# KiCad board pi40_v1.1.kicad_pcb
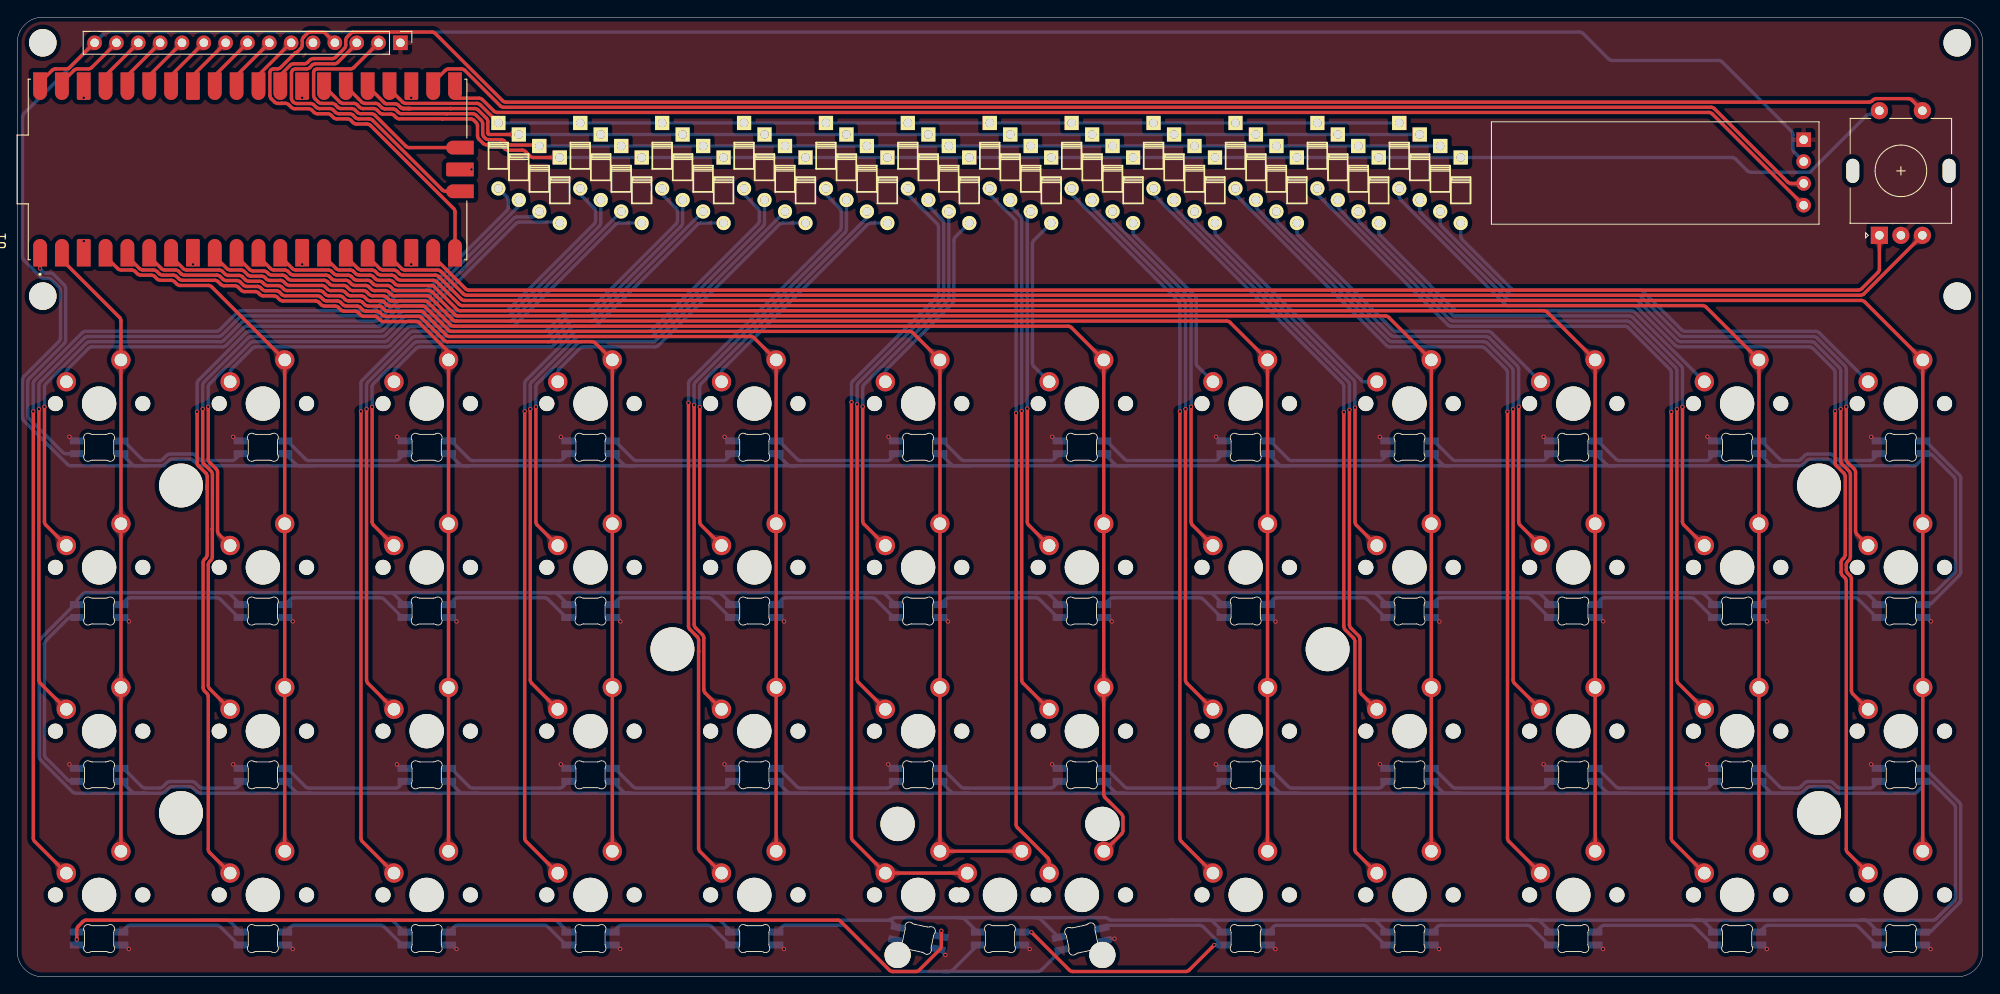
[diagram p0: board, top side]
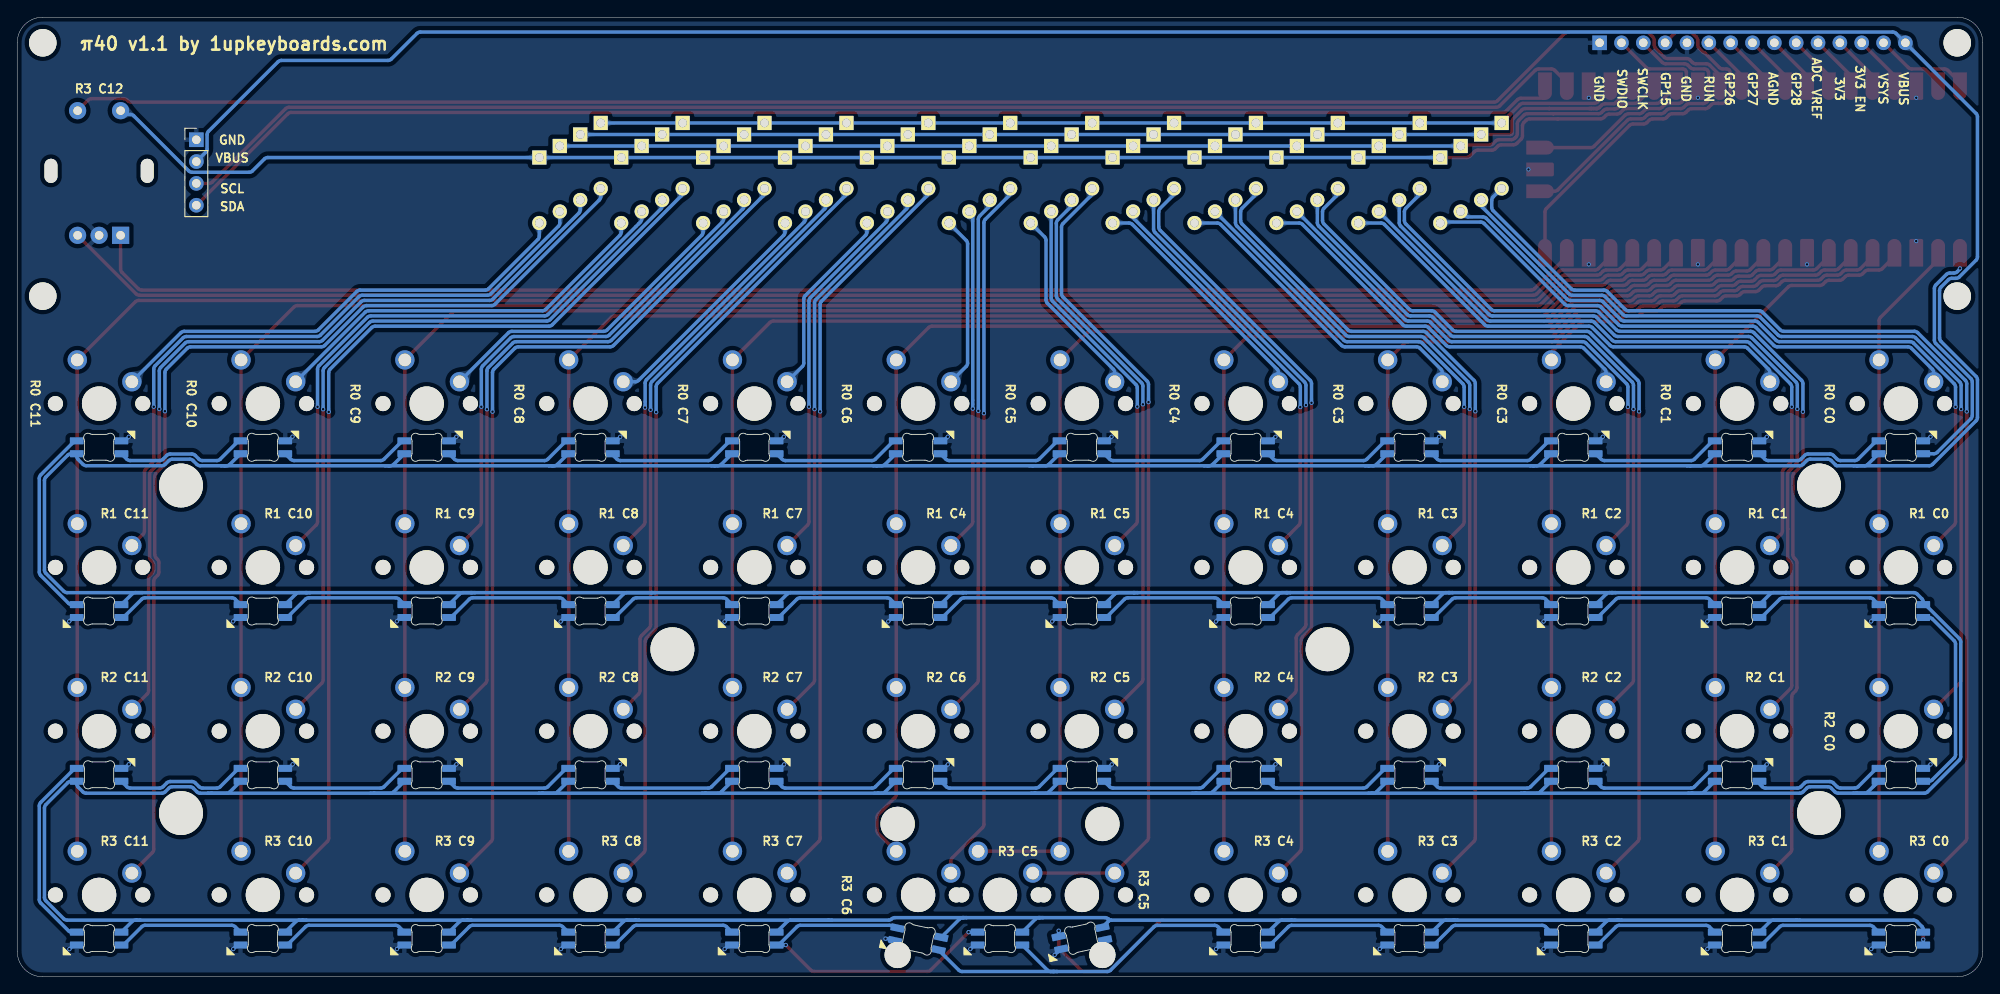
[diagram p1: board, bottom side, seen from below]

Outline 228.6 x 111.62 mm; copper layers: Top (plane), Bottom (plane). Coordinates in mm from the lower left corner of the outline.
Outline path: 0,108.64 arc(0.87,110.75) 2.98,111.62 225.62,111.62 arc(227.73,110.75) 228.6,108.64 228.6,2.98 arc(227.73,0.87) 225.62,0 2.98,0 arc(0.87,0.87) 0,2.98 0,108.64
Stack: Top 0.035mm / dielectric 1.51mm FR4 er 4.5 / Bottom 0.035mm

## Placement (name value [footprint] x y rotation side)
D1  D  [Diode No Label]  63.1 91.49 90 top
D2  D  [Diode No Label]  72.63 91.49 90 top
D3  D  [Diode No Label]  82.15 91.49 90 top
D4  D  [Diode No Label]  91.68 91.49 90 top
D5  D  [Diode No Label]  101.2 91.49 90 top
D6  D  [Diode No Label]  110.73 91.49 90 top
D7  D  [Diode No Label]  120.25 91.49 90 top
D8  D  [Diode No Label]  129.78 91.49 90 top
D9  D  [Diode No Label]  139.3 91.49 90 top
D10  D  [Diode No Label]  148.83 91.49 90 top
D11  D  [Diode No Label]  158.35 91.49 90 top
D12  D  [Diode No Label]  167.88 91.49 90 top
D13  D  [Diode No Label]  60.72 92.83 90 top
D14  D  [Diode No Label]  70.25 92.83 90 top
D15  D  [Diode No Label]  79.77 92.83 90 top
D16  D  [Diode No Label]  89.3 92.83 90 top
D17  D  [Diode No Label]  98.82 92.83 90 top
D18  D  [Diode No Label]  108.35 92.83 90 top
D19  D  [Diode No Label]  117.87 92.83 90 top
D20  D  [Diode No Label]  127.4 92.83 90 top
D21  D  [Diode No Label]  136.92 92.83 90 top
D22  D  [Diode No Label]  146.45 92.83 90 top
D23  D  [Diode No Label]  155.97 92.83 90 top
D24  D  [Diode No Label]  165.5 92.83 90 top
D25  D  [Diode No Label]  58.34 94.17 90 top
D26  D  [Diode No Label]  67.87 94.17 90 top
D27  D  [Diode No Label]  77.39 94.17 90 top
D28  D  [Diode No Label]  86.91 94.17 90 top
D29  D  [Diode No Label]  96.44 94.17 90 top
D30  D  [Diode No Label]  105.96 94.17 90 top
D31  D  [Diode No Label]  115.49 94.17 90 top
D32  D  [Diode No Label]  125.01 94.17 90 top
D33  D  [Diode No Label]  134.54 94.17 90 top
D34  D  [Diode No Label]  144.06 94.17 90 top
D35  D  [Diode No Label]  153.59 94.17 90 top
D36  D  [Diode No Label]  163.11 94.17 90 top
D37  D  [Diode No Label]  55.96 95.51 90 top
D38  D  [Diode No Label]  65.48 95.51 90 top
D39  D  [Diode No Label]  75.01 95.51 90 top
D40  D  [Diode No Label]  84.53 95.51 90 top
D41  D  [Diode No Label]  94.06 95.51 90 top
D42  D  [Diode No Label]  103.58 95.51 90 top
D43  D  [Diode No Label]  113.11 95.51 90 top
D44  D  [Diode No Label]  122.63 95.51 90 top
D45  D  [Diode No Label]  132.16 95.51 90 top
D46  D  [Diode No Label]  141.68 95.51 90 top
D47  D  [Diode No Label]  151.21 95.51 90 top
D48  D  [Diode No Label]  160.73 95.51 90 top
D49  SK6812MINI-E  [MX_SK6812MINI-E RL no keepout no via]  9.52 66.67 0 top
D50  SK6812MINI-E  [MX_SK6812MINI-E RL no keepout no via]  28.57 66.67 0 top
D51  SK6812MINI-E  [MX_SK6812MINI-E RL no keepout no via]  47.62 66.67 0 top
D52  SK6812MINI-E  [MX_SK6812MINI-E RL no keepout no via]  66.67 66.67 0 top
D53  SK6812MINI-E  [MX_SK6812MINI-E RL no keepout no via]  85.72 66.67 0 top
D54  SK6812MINI-E  [MX_SK6812MINI-E RL no keepout no via]  104.77 66.67 0 top
D55  SK6812MINI-E  [MX_SK6812MINI-E RL no keepout no via]  123.82 66.67 0 top
D56  SK6812MINI-E  [MX_SK6812MINI-E RL no keepout no via]  142.87 66.67 0 top
D57  SK6812MINI-E  [MX_SK6812MINI-E RL no keepout no via]  161.92 66.67 0 top
D58  SK6812MINI-E  [MX_SK6812MINI-E RL no keepout no via]  180.97 66.67 0 top
D59  SK6812MINI-E  [MX_SK6812MINI-E RL no keepout no via]  200.02 66.67 0 top
D60  SK6812MINI-E  [MX_SK6812MINI-E RL no keepout no via]  219.07 66.67 0 top
D61  SK6812MINI-E  [MX_SK6812MINI-E LR no keepout no via]  9.52 47.62 0 top
D62  SK6812MINI-E  [MX_SK6812MINI-E LR no keepout no via]  28.57 47.62 0 top
D63  SK6812MINI-E  [MX_SK6812MINI-E LR no keepout no via]  47.62 47.62 0 top
D64  SK6812MINI-E  [MX_SK6812MINI-E LR no keepout no via]  66.67 47.62 0 top
D65  SK6812MINI-E  [MX_SK6812MINI-E LR no keepout no via]  85.72 47.62 0 top
D66  SK6812MINI-E  [MX_SK6812MINI-E LR no keepout no via]  104.77 47.62 0 top
D67  SK6812MINI-E  [MX_SK6812MINI-E LR no keepout no via]  123.82 47.62 0 top
D68  SK6812MINI-E  [MX_SK6812MINI-E LR no keepout no via]  142.87 47.62 0 top
D69  SK6812MINI-E  [MX_SK6812MINI-E LR no keepout no via]  161.92 47.62 0 top
D70  SK6812MINI-E  [MX_SK6812MINI-E LR no keepout no via]  180.97 47.62 0 top
D71  SK6812MINI-E  [MX_SK6812MINI-E LR no keepout no via]  200.02 47.62 0 top
D72  SK6812MINI-E  [MX_SK6812MINI-E LR no keepout no via]  219.07 47.62 0 top
D73  SK6812MINI-E  [MX_SK6812MINI-E RL no keepout no via]  9.52 28.57 0 top
D74  SK6812MINI-E  [MX_SK6812MINI-E RL no keepout no via]  28.57 28.57 0 top
D75  SK6812MINI-E  [MX_SK6812MINI-E RL no keepout no via]  47.62 28.57 0 top
D76  SK6812MINI-E  [MX_SK6812MINI-E RL no keepout no via]  66.67 28.57 0 top
D77  SK6812MINI-E  [MX_SK6812MINI-E RL no keepout no via]  85.72 28.57 0 top
D78  SK6812MINI-E  [MX_SK6812MINI-E RL no keepout no via]  104.77 28.57 0 top
D79  SK6812MINI-E  [MX_SK6812MINI-E RL no keepout no via]  123.82 28.57 0 top
D80  SK6812MINI-E  [MX_SK6812MINI-E RL no keepout no via]  142.87 28.57 0 top
D81  SK6812MINI-E  [MX_SK6812MINI-E RL no keepout no via]  161.92 28.57 0 top
D82  SK6812MINI-E  [MX_SK6812MINI-E RL no keepout no via]  180.97 28.57 0 top
D83  SK6812MINI-E  [MX_SK6812MINI-E RL no keepout no via]  200.02 28.57 0 top
D84  SK6812MINI-E  [MX_SK6812MINI-E RL no keepout no via]  219.07 28.57 0 top
D85  SK6812MINI-E  [MX_SK6812MINI-E Normal Orientation Left to Right Row]  104.78 9.52 0 top
D86  SK6812MINI-E  [MX_SK6812MINI-E LR no keepout no via]  9.52 9.52 0 top
D87  SK6812MINI-E  [MX_SK6812MINI-E LR no keepout no via]  28.57 9.52 0 top
D88  SK6812MINI-E  [MX_SK6812MINI-E LR no keepout no via]  47.62 9.52 0 top
D89  SK6812MINI-E  [MX_SK6812MINI-E LR no keepout no via]  66.67 9.52 0 top
D90  SK6812MINI-E  [MX_SK6812MINI-E LR no keepout no via]  85.72 9.52 0 top
D91  SK6812MINI-E  [MX_SK6812MINI-E LR no keepout no via]  114.3 9.52 0 top
D92  SK6812MINI-E  [MX_SK6812MINI-E LR no keepout no via]  142.87 9.52 0 top
D93  SK6812MINI-E  [MX_SK6812MINI-E LR no keepout no via]  161.92 9.52 0 top
D94  SK6812MINI-E  [MX_SK6812MINI-E LR no keepout no via]  180.97 9.52 0 top
D95  SK6812MINI-E  [MX_SK6812MINI-E LR no keepout no via]  200.02 9.52 0 top
D96  SK6812MINI-E  [MX_SK6812MINI-E LR no keepout no via]  219.07 9.52 0 top
D97  SK6812MINI-E  [MX_SK6812MINI-E Normal Orientation Left to Right Row#2]  123.83 9.52 0 top
G***  LOGO  [1up Logo 10mm]  33.13 94.95 180 bottom
H1  Hole  [MountingHole_3.2mm_M3]  2.98 108.64 0 top
H2  Hole  [MountingHole_3.2mm_M3]  225.62 108.64 0 top
H3  Hole  [MountingHole_3.2mm_M3]  2.98 79.18 0 top
H4  Hole  [MountingHole_3.2mm_M3]  225.62 79.18 0 top
H5  Hole  [MountingHole_5.3mm_M5]  19.05 57.15 0 top
H6  Hole  [MountingHole_5.3mm_M5]  209.55 57.15 0 top
H7  Hole  [MountingHole_5.3mm_M5]  76.2 38.1 0 top
H8  Hole  [MountingHole_5.3mm_M5]  152.4 38.1 0 top
H9  Hole  [MountingHole_5.3mm_M5]  19.05 19.05 0 top
H10  Hole  [MountingHole_5.3mm_M5]  209.55 19.05 0 top
J1  Conn_01x15_Female  [PinHeader_1x15_P2.54mm_Vertical]  44.56 108.64 270 top
J2  I2C Display  [PinHeader_1x04_P2.54mm_Vertical]  207.76 97.37 180 bottom
K1  KEYSW  [MXOnly-1U-NoLED]  9.52 66.67 0 top
K2  KEYSW  [MXOnly-1U-NoLED]  28.57 66.67 0 top
K3  KEYSW  [MXOnly-1U-NoLED]  47.62 66.67 0 top
K4  KEYSW  [MXOnly-1U-NoLED]  66.67 66.67 0 top
K5  KEYSW  [MXOnly-1U-NoLED]  85.72 66.67 0 top
K6  KEYSW  [MXOnly-1U-NoLED]  104.77 66.67 0 top
K7  KEYSW  [MXOnly-1U-NoLED]  123.82 66.67 0 top
K8  KEYSW  [MXOnly-1U-NoLED]  142.87 66.67 0 top
K9  KEYSW  [MXOnly-1U-NoLED]  161.92 66.67 0 top
K10  KEYSW  [MXOnly-1U-NoLED]  180.97 66.67 0 top
K11  KEYSW  [MXOnly-1U-NoLED]  200.02 66.67 0 top
K12  KEYSW  [MXOnly-1U-NoLED]  219.07 66.67 0 top
K13  KEYSW  [MXOnly-1U-NoLED]  9.52 47.62 0 top
K14  KEYSW  [MXOnly-1U-NoLED]  28.57 47.62 0 top
K15  KEYSW  [MXOnly-1U-NoLED]  47.62 47.62 0 top
K16  KEYSW  [MXOnly-1U-NoLED]  66.67 47.62 0 top
K17  KEYSW  [MXOnly-1U-NoLED]  85.72 47.62 0 top
K18  KEYSW  [MXOnly-1U-NoLED]  104.77 47.62 0 top
K19  KEYSW  [MXOnly-1U-NoLED]  123.82 47.62 0 top
K20  KEYSW  [MXOnly-1U-NoLED]  142.87 47.62 0 top
K21  KEYSW  [MXOnly-1U-NoLED]  161.92 47.62 0 top
K22  KEYSW  [MXOnly-1U-NoLED]  180.97 47.62 0 top
K23  KEYSW  [MXOnly-1U-NoLED]  200.02 47.62 0 top
K24  KEYSW  [MXOnly-1U-NoLED]  219.07 47.62 0 top
K25  KEYSW  [MXOnly-1U-NoLED]  9.52 28.57 0 top
K26  KEYSW  [MXOnly-1U-NoLED]  28.57 28.57 0 top
K27  KEYSW  [MXOnly-1U-NoLED]  47.62 28.57 0 top
K28  KEYSW  [MXOnly-1U-NoLED]  66.67 28.57 0 top
K29  KEYSW  [MXOnly-1U-NoLED]  85.72 28.57 0 top
K30  KEYSW  [MXOnly-1U-NoLED]  104.77 28.57 0 top
K31  KEYSW  [MXOnly-1U-NoLED]  123.82 28.57 0 top
K32  KEYSW  [MXOnly-1U-NoLED]  142.87 28.57 0 top
K33  KEYSW  [MXOnly-1U-NoLED]  161.92 28.57 0 top
K34  KEYSW  [MXOnly-1U-NoLED]  180.97 28.57 0 top
K35  KEYSW  [MXOnly-1U-NoLED]  200.02 28.57 0 top
K36  KEYSW  [MXOnly-1U-NoLED]  219.07 28.57 0 top
K37  KEYSW  [MXOnly-1U-NoLED]  9.52 9.52 0 top
K38  KEYSW  [MXOnly-1U-NoLED]  28.57 9.52 0 top
K39  KEYSW  [MXOnly-1U-NoLED]  47.62 9.52 0 top
K40  KEYSW  [MXOnly-1U-NoLED]  66.67 9.52 0 top
K41  KEYSW  [MXOnly-1U-NoLED]  85.72 9.52 0 top
K42  KEYSW  [MXOnly-1U-NoLED]  104.78 9.52 0 top
K43  KEYSW  [MXOnly-1U-NoLED]  123.83 9.52 0 top
K44  KEYSW  [MXOnly-1U-NoLED]  142.87 9.52 0 top
K45  KEYSW  [MXOnly-1U-NoLED]  161.92 9.52 0 top
K46  KEYSW  [MXOnly-1U-NoLED]  180.97 9.52 0 top
K47  KEYSW  [MXOnly-1U-NoLED]  200.02 9.52 0 top
K48  KEYSW  [MXOnly-1U-NoLED]  219.07 9.52 0 top
K49  KEYSW  [MXOnly-2U-ReversedStabilizers-NoLED]  114.3 9.52 0 top
SW1  Rotary_Encoder_Switch  [RotaryEncoder_EC11]  219.07 93.75 90 top
U1  SC0915  [MODULE_SC0915]  26.79 93.91 90 top

## Library data of the parts
D49-D97 = -: Field4: 1
U1 = -: MANUFACTURER: Raspberry Pi; MAXIMUM_PACKAGE_HEIGHT: 3.73mm; PARTREV: 1.6; STANDARD: Manufacturer Recommendations

## Footprints (pads in the part's own frame, mm; a bottom-side part is the same pattern mirrored in y, then rotated)
Diode No Label
  rect 1.651x1.651 hole 0.991: 1(3.81,0)
  round 1.651 hole 0.991: 2(-3.81,0)
MODULE_SC0915
  custom 3.21x1.61 smd: 1(-9.69,24.13) 2(-9.69,21.59) 3(-9.69,19.05) 4(-9.69,16.51) 5(-9.69,13.97) 6(-9.69,11.43) 7(-9.69,8.89) 8(-9.69,6.35) 9(-9.69,3.81) 10(-9.69,1.27) 11(-9.69,-1.27) 12(-9.69,-3.81) 13(-9.69,-6.35) 14(-9.69,-8.89) 15(-9.69,-11.43) 16(-9.69,-13.97) 17(-9.69,-16.51) 18(-9.69,-19.05) 19(-9.69,-21.59) 20(-9.69,-24.13) 21(9.69,-24.13) 22(9.69,-21.59) 23(9.69,-19.05) 24(9.69,-16.51) 25(9.69,-13.97) 26(9.69,-11.43) 27(9.69,-8.89) 28(9.69,-6.35) 29(9.69,-3.81) 30(9.69,-1.27) 31(9.69,1.27) 32(9.69,3.81) 33(9.69,6.35) 34(9.69,8.89) 35(9.69,11.43) 36(9.69,13.97) 37(9.69,16.51) 38(9.69,19.05) 39(9.69,21.59) 40(9.69,24.13)
  custom 1.61x3.21 smd: D1(-2.54,-24.7) D2(0,-24.7) D3(2.54,-24.7)
MountingHole_3.2mm_M3
  round 3.2 hole 3.2 unplated: (0,0)
MountingHole_5.3mm_M5
  round 5.1 hole 5.1 unplated: (0,0)
MX_SK6812MINI-E LR no keepout no via
  rrect 1.6x0.82 smd far side: 1(-2.6,-4.33) 2(-2.6,-5.83) 3(2.6,-5.83) 4(2.6,-4.33)
MX_SK6812MINI-E Normal Orientation Left to Right Row
  rrect 0.82x1.6 smd far side rot 78: 1(-2.383,-3.762) 2(-2.694,-5.229) 3(2.392,-6.31) 4(2.704,-4.843)
MX_SK6812MINI-E Normal Orientation Left to Right Row#2
  rrect 0.82x1.6 smd far side rot 102: 1(-2.694,-4.931) 2(-2.383,-6.398) 3(2.704,-5.317) 4(2.392,-3.85)
MX_SK6812MINI-E RL no keepout no via
  rrect 1.6x0.82 smd far side: 1(2.6,-5.83) 2(2.6,-4.33) 3(-2.6,-4.33) 4(-2.6,-5.83)
MXOnly-1U-NoLED
  round 1.75 hole 1.75 unplated: (-5.08,0) (5.08,0)
  round 3.988 hole 3.988 unplated: (0,0)
  round 2.25 hole 1.47: 1(-3.81,2.54) 2(2.54,5.08)
MXOnly-2U-ReversedStabilizers-NoLED
  round 3.988 hole 3.988 unplated: (-11.906,8.255) (0,0) (11.906,8.255)
  round 3.048 hole 3.048 unplated: (-11.906,-6.985) (11.906,-6.985)
  round 1.75 hole 1.75 unplated: (-5.08,0) (5.08,0)
  round 2.25 hole 1.47: 1(-3.81,2.54) 2(2.54,5.08)
PinHeader_1x04_P2.54mm_Vertical
  rect 1.7x1.7 hole 1: 1(0,0)
  oval 1.7x1.7 hole 1: 2(0,-2.54) 3(0,-5.08) 4(0,-7.62)
PinHeader_1x15_P2.54mm_Vertical
  rect 1.7x1.7 hole 1: 1(0,0)
  oval 1.7x1.7 hole 1: 2(0,-2.54) 3(0,-5.08) 4(0,-7.62) 5(0,-10.16) 6(0,-12.7) 7(0,-15.24) 8(0,-17.78) 9(0,-20.32) 10(0,-22.86) 11(0,-25.4) 12(0,-27.94) 13(0,-30.48) 14(0,-33.02) 15(0,-35.56)
RotaryEncoder_EC11
  oval 2.8x1.5 hole 2.8x1.5 unplated: (0,5.6) (0,-5.6)
  rect 2x2 hole 1: A(-7.5,2.5)
  round 2 hole 1: B(-7.5,-2.5) C(-7.5,0) S1(7,-2.5) S2(7,2.5)

## Nets
3V3: J1.12 U1.36
GND: D49.3 D50.3 D51.3 D52.3 D53.3 D54.3 D55.3 D56.3 D57.3 D58.3 D59.3 D60.3 D61.3 D62.3 D63.3 D64.3 D65.3 D66.3 D67.3 D68.3 D69.3 D70.3 D71.3 D72.3 D73.3 D74.3 D75.3 D76.3 D77.3 D78.3 D79.3 D80.3 D81.3 D82.3 D83.3 D84.3 D85.3 D86.3 D87.3 D88.3 D89.3 D90.3 D91.3 D92.3 D93.3 D94.3 D95.3 D96.3 D97.3 J1.1 J1.5 J2.1 SW1.C U1.3 U1.8 U1.13 U1.18 U1.23 U1.28 U1.38 U1.D2
VBUS: D49.1 D50.1 D51.1 D52.1 D53.1 D54.1 D55.1 D56.1 D57.1 D58.1 D59.1 D60.1 D61.1 D62.1 D63.1 D64.1 D65.1 D66.1 D67.1 D68.1 D69.1 D70.1 D71.1 D72.1 D73.1 D74.1 D75.1 D76.1 D77.1 D78.1 D79.1 D80.1 D81.1 D82.1 D83.1 D84.1 D85.1 D86.1 D87.1 D88.1 D89.1 D90.1 D91.1 D92.1 D93.1 D94.1 D95.1 D96.1 D97.1 J1.15 J2.2 U1.40
C0: K1.2 K13.2 K25.2 K37.2 U1.2
C1: K2.2 K14.2 K26.2 K38.2 U1.4
C2: K3.2 K15.2 K27.2 K39.2 U1.5
C3: K4.2 K16.2 K28.2 K40.2 U1.6
C4: K5.2 K17.2 K29.2 K41.2 U1.7
C5: K6.2 K18.2 K30.2 K42.2 K49.2 U1.9
C6: K7.2 K19.2 K31.2 K43.2 U1.10
C7: K8.2 K20.2 K32.2 K44.2 U1.11
C8: K9.2 K21.2 K33.2 K45.2 U1.12
C9: K10.2 K22.2 K34.2 K46.2 U1.14
C10: K11.2 K23.2 K35.2 K47.2 U1.15
C11: K12.2 K24.2 K36.2 K48.2 U1.16
C12: SW1.S1 U1.29
J2: J1.2 U1.D3
J3: J1.3 U1.D1
J4: J1.4 U1.20
J6: J1.6 U1.30
J7: J1.7 U1.31
J8: J1.8 U1.32
J9: J1.9 U1.33
J10: J1.10 U1.34
J11: J1.11 U1.35
J13: J1.13 U1.37
J14: J1.14 U1.39
R0: D1.1 D2.1 D3.1 D4.1 D5.1 D6.1 D7.1 D8.1 D9.1 D10.1 D11.1 D12.1 SW1.S2 U1.27
R1: D13.1 D14.1 D15.1 D16.1 D17.1 D18.1 D19.1 D20.1 D21.1 D22.1 D23.1 D24.1 U1.26
R2: D25.1 D26.1 D27.1 D28.1 D29.1 D30.1 D31.1 D32.1 D33.1 D34.1 D35.1 D36.1 U1.25
R3: D37.1 D38.1 D39.1 D40.1 D41.1 D42.1 D43.1 D44.1 D45.1 D46.1 D47.1 D48.1 U1.24
REa: SW1.A U1.19
REb: SW1.B U1.17
RGB: D49.4 U1.1
SCL: J2.3 U1.22
SDA: J2.4 U1.21
Net-(D1-Pad2): D1.2 K1.1
Net-(D2-Pad2): D2.2 K2.1
Net-(D3-Pad2): D3.2 K3.1
Net-(D4-Pad2): D4.2 K4.1
Net-(D5-Pad2): D5.2 K5.1
Net-(D6-Pad2): D6.2 K6.1
Net-(D7-Pad2): D7.2 K7.1
Net-(D8-Pad2): D8.2 K8.1
Net-(D9-Pad2): D9.2 K9.1
Net-(D10-Pad2): D10.2 K10.1
Net-(D11-Pad2): D11.2 K11.1
Net-(D12-Pad2): D12.2 K12.1
Net-(D13-Pad2): D13.2 K13.1
Net-(D14-Pad2): D14.2 K14.1
Net-(D15-Pad2): D15.2 K15.1
Net-(D16-Pad2): D16.2 K16.1
Net-(D17-Pad2): D17.2 K17.1
Net-(D18-Pad2): D18.2 K18.1
Net-(D19-Pad2): D19.2 K19.1
Net-(D20-Pad2): D20.2 K20.1
Net-(D21-Pad2): D21.2 K21.1
Net-(D22-Pad2): D22.2 K22.1
Net-(D23-Pad2): D23.2 K23.1
Net-(D24-Pad2): D24.2 K24.1
Net-(D25-Pad2): D25.2 K25.1
Net-(D26-Pad2): D26.2 K26.1
Net-(D27-Pad2): D27.2 K27.1
Net-(D28-Pad2): D28.2 K28.1
Net-(D29-Pad2): D29.2 K29.1
Net-(D30-Pad2): D30.2 K30.1
Net-(D31-Pad2): D31.2 K31.1
Net-(D32-Pad2): D32.2 K32.1
Net-(D33-Pad2): D33.2 K33.1
Net-(D34-Pad2): D34.2 K34.1
Net-(D35-Pad2): D35.2 K35.1
Net-(D36-Pad2): D36.2 K36.1
Net-(D37-Pad2): D37.2 K37.1
Net-(D38-Pad2): D38.2 K38.1
Net-(D39-Pad2): D39.2 K39.1
Net-(D40-Pad2): D40.2 K40.1
Net-(D41-Pad2): D41.2 K41.1
Net-(D42-Pad2): D42.2 K42.1 K49.1
Net-(D43-Pad2): D43.2 K43.1
Net-(D44-Pad2): D44.2 K44.1
Net-(D45-Pad2): D45.2 K45.1
Net-(D46-Pad2): D46.2 K46.1
Net-(D47-Pad2): D47.2 K47.1
Net-(D48-Pad2): D48.2 K48.1
Net-(D49-Pad2): D49.2 D50.4
Net-(D50-Pad2): D50.2 D51.4
Net-(D51-Pad2): D51.2 D52.4
Net-(D52-Pad2): D52.2 D53.4
Net-(D53-Pad2): D53.2 D54.4
Net-(D54-Pad2): D54.2 D55.4
Net-(D55-Pad2): D55.2 D56.4
Net-(D56-Pad2): D56.2 D57.4
Net-(D57-Pad2): D57.2 D58.4
Net-(D58-Pad2): D58.2 D59.4
Net-(D59-Pad2): D59.2 D60.4
Net-(D60-Pad2): D60.2 D72.4
Net-(D61-Pad2): D61.2 D73.4
Net-(D61-Pad4): D61.4 D62.2
Net-(D62-Pad4): D62.4 D63.2
Net-(D63-Pad4): D63.4 D64.2
Net-(D64-Pad4): D64.4 D65.2
Net-(D65-Pad4): D65.4 D66.2
Net-(D66-Pad4): D66.4 D67.2
Net-(D67-Pad4): D67.4 D68.2
Net-(D68-Pad4): D68.4 D69.2
Net-(D69-Pad4): D69.4 D70.2
Net-(D70-Pad4): D70.4 D71.2
Net-(D71-Pad4): D71.4 D72.2
Net-(D73-Pad2): D73.2 D74.4
Net-(D74-Pad2): D74.2 D75.4
Net-(D75-Pad2): D75.2 D76.4
Net-(D76-Pad2): D76.2 D77.4
Net-(D77-Pad2): D77.2 D78.4
Net-(D78-Pad2): D78.2 D79.4
Net-(D79-Pad2): D79.2 D80.4
Net-(D80-Pad2): D80.2 D81.4
Net-(D81-Pad2): D81.2 D82.4
Net-(D82-Pad2): D82.2 D83.4
Net-(D83-Pad2): D83.2 D84.4
Net-(D84-Pad2): D84.2 D96.4
Net-(D85-Pad4): D85.4 D86.2
Net-(D86-Pad4): D86.4 D87.2
Net-(D87-Pad4): D87.4 D88.2
Net-(D88-Pad4): D88.4 D89.2
Net-(D89-Pad4): D89.4 D90.2
Net-(D90-Pad4): D90.4 D91.2 D97.2
Net-(D91-Pad4): D91.4 D92.2 D97.4
Net-(D92-Pad4): D92.4 D93.2
Net-(D93-Pad4): D93.4 D94.2
Net-(D94-Pad4): D94.4 D95.2
Net-(D95-Pad4): D95.4 D96.2

Pads without a net: D85 2

## Via types
v1: diameter 0.5, hole 0.3, Top to Bottom, 98 vias

## Routing (per net, layer and track width the routed paths; a pad name or vN(x,y) marks a point on that pad's centre or on a via; arc(x,y) is an arc through that point)
3V3: length 5.4
  Top w0.4: 12.82,104.84 J1.12
GND: length 32.3
  Bottom w0.4: v1(70.14,3.24) 69.68,3.69 ; v1(158.48,24.73) 158.96,24.24 ; v1(127.62,4.44) 127.31,4.44 ; v1(117.76,3.23) 117.29,3.69 ; v1(120.37,62.82) 120.84,62.34 ; v1(158.47,62.81) 158.93,62.34 ; v1(70.15,41.33) 69.68,41.79 ; v1(13,41.34) 12.54,41.79 ; v1(25.13,24.71) 25.59,24.24 ; v1(32.04,3.23) 31.57,3.69 ; v1(139.41,24.71) 139.87,24.24 ; v1(101.3,24.71) 101.76,24.24 ; v1(127.3,41.33) 126.83,41.79 ; v1(63.22,24.72) 63.69,24.24 ; v1(44.19,62.82) 44.66,62.34 ; v1(44.16,24.71) 44.62,24.24 ; v1(184.45,41.35) 184,41.79 ; v1(203.48,3.23) 203.01,3.69 ; v1(196.56,24.72) 197.03,24.24 ; v1(222.53,3.22) 222.05,3.69 ; v1(222.56,41.34) 222.1,41.79 ; v1(184.44,3.23) 183.97,3.69 ; v1(51.09,3.24) 50.63,3.69 ; v1(146.34,41.32) 145.86,41.79 ; v1(6.08,24.71) 6.54,24.24 ; v1(203.5,41.34) 203.04,41.79 ; v1(32.05,41.34) 31.59,41.79 ; v1(107.95,2.54) 107.27,3.21 ; v1(25.12,62.81) 25.58,62.34 ; v1(51.09,41.33) 50.62,41.79 ; v1(165.4,41.32) 164.92,41.79 ; v1(108.24,41.33) 107.77,41.79 ; v1(215.62,24.72) 216.09,24.24 ; v1(165.38,3.23) 164.91,3.69 ; v1(139.43,62.82) 139.9,62.34 ; v1(101.33,62.82) 101.8,62.34 ; v1(196.58,62.83) 197.06,62.34 ; v1(12.99,3.23) 12.52,3.69 ; v1(89.19,41.33) 88.72,41.79 ; v1(120.36,24.71) 120.82,24.24 ; v1(82.27,62.81) 82.73,62.34 ; v1(177.52,62.82) 177.99,62.34 ; v1(215.62,62.81) 216.08,62.34 ; v1(89.18,3.23) 88.71,3.69 ; v1(146.33,3.23) 145.86,3.69 ; v1(82.26,24.72) 82.73,24.24 ; v1(177.52,24.72) 177.99,24.24 ; v1(63.22,62.81) 63.68,62.34 ; v1(6.08,62.82) 6.55,62.34
  vias: v1(7.74,102.25) v1(7.75,85.58) v1(20.45,82.87) v1(33.14,102.25) v1(33.14,82.87) v1(45.83,102.25) v1(45.83,82.87) v1(52.84,93.91)
VBUS: length 1373.7
  Top w0.4: 2.66,104.03 4.07,105.44 arc(4.25,105.56) 4.46,105.6 5.7,105.6 arc(5.91,105.65) 6.08,105.76 8.96,108.64
  Bottom w0.4: 110.17,21.35 110.64,21.35 ; 110.17,21.35 91.92,21.35 ; 110.17,21.35 arc(110.23,21.35) 110.29,21.35 ; 110.64,21.35 110.29,21.35 ; 110.64,21.35 128.41,21.35 ; 12.76,22.11 D73.1 13.36,21.51 arc(13.53,21.4) 13.74,21.35 14.58,21.35 ; 61.55,6.58 61.08,6.58 ; 61.55,6.58 62.46,6.58 arc(62.67,6.54) 62.85,6.42 D89.1 ; 61.55,6.58 arc(61.49,6.58) 61.43,6.58 ; 61.08,6.58 42.47,6.58 ; 61.08,6.58 61.43,6.58 ; D83.1 203.86,21.51 arc(204.03,21.39) 204.24,21.35 205.96,21.35 ; 195.02,44.69 194.55,44.69 ; 195.02,44.69 214.85,44.69 arc(215.06,44.65) 215.24,44.53 D72.1 ; 195.02,44.69 arc(194.96,44.69) 194.9,44.69 ; 194.55,44.69 175.73,44.69 ; 194.55,44.69 194.9,44.69 ; 147.87,59.45 147.52,59.45 ; 147.87,59.45 147.4,59.45 ; 147.87,59.45 166.42,59.45 ; 147.52,59.45 147.09,59.45 arc(146.89,59.49) 146.71,59.61 D56.1 ; 147.52,59.45 arc(147.46,59.45) 147.4,59.45 ; 187.02,21.35 187.49,21.35 ; 187.02,21.35 185.19,21.35 arc(184.98,21.39) 184.81,21.51 D82.1 ; 187.02,21.35 arc(187.08,21.35) 187.14,21.35 ; 187.49,21.35 206.08,21.35 ; 187.49,21.35 187.14,21.35 ; 42.7,44.69 43.05,44.69 ; 42.7,44.69 43.17,44.69 ; 42.7,44.69 22.95,44.69 ; 43.05,44.69 43.41,44.69 arc(43.61,44.65) 43.79,44.53 D63.1 ; 43.05,44.69 arc(43.11,44.69) 43.17,44.69 ; D71.1 196.19,44.53 arc(196.01,44.65) 195.8,44.69 194.9,44.69 ; 214.04,44.69 222.79,44.69 arc(223,44.73) 223.18,44.85 225.27,46.94 arc(225.39,47.11) 225.43,47.32 225.43,57.74 arc(225.39,57.95) 225.27,58.13 222.71,60.69 arc(222.54,60.8) 222.33,60.84 221.87,60.84 arc(221.73,60.79) 221.67,60.64 221.67,60.56 arc(221.63,60.35) 221.51,60.18 220.95,59.61 arc(220.77,59.49) 220.56,59.45 211.78,59.45 arc(211.57,59.49) 211.39,59.61 210.95,60.05 arc(210.77,60.17) 210.57,60.21 208.53,60.21 arc(208.32,60.17) 208.15,60.05 207.71,59.61 arc(207.53,59.49) 207.32,59.45 204.88,59.45 ; 194.97,6.59 195.32,6.59 ; 194.97,6.59 195.44,6.59 ; 194.97,6.59 176.14,6.59 ; 195.32,6.59 214.28,6.59 ; 195.32,6.59 arc(195.38,6.59) 195.44,6.59 ; 154.42,44.69 154.78,44.69 ; 154.42,44.69 154.89,44.69 ; 154.42,44.69 136.01,44.69 ; 154.78,44.69 175.37,44.69 ; 154.78,44.69 arc(154.83,44.69) 154.89,44.69 ; 14.68,59.45 13.75,59.45 arc(13.54,59.49) 13.36,59.61 D49.1 ; 14.68,59.45 15.03,59.45 ; 14.68,59.45 arc(14.62,59.45) 14.56,59.45 ; 52.67,59.45 52.32,59.45 ; 52.67,59.45 71.48,59.45 ; 52.67,59.45 52.2,59.45 ; 52.32,59.45 34.43,59.45 ; 52.32,59.45 arc(52.26,59.45) 52.2,59.45 ; 21.29,6.58 21.64,6.58 ; 21.29,6.58 8.04,6.58 arc(7.83,6.54) 7.65,6.42 7.08,5.86 arc(6.97,5.68) 6.92,5.47 D86.1 ; 21.29,6.58 21.76,6.58 ; 21.64,6.58 24.36,6.58 arc(24.57,6.54) 24.75,6.42 D87.1 ; 21.64,6.58 arc(21.7,6.58) 21.76,6.58 ; D88.1 43.8,6.42 arc(43.62,6.54) 43.41,6.58 42.35,6.58 ; 118.53,6.88 118.63,6.88 ; 118.53,6.88 118.2,6.88 ; 118.53,6.88 arc(118.58,6.88) 118.63,6.88 ; 118.63,6.88 126.54,6.88 arc(126.73,6.84) 126.89,6.74 arc(127.05,6.63) 127.24,6.59 133.84,6.59 ; 118.63,6.88 118.2,6.88 ; 118.63,6.88 arc(118.82,6.84) 118.99,6.73 D97.1 ; 206.08,21.35 206.43,21.35 ; 206.08,21.35 arc(206.02,21.35) 205.96,21.35 ; 34.08,59.45 21.3,59.45 arc(21.09,59.49) 20.91,59.61 20.47,60.05 arc(20.29,60.17) 20.08,60.21 18.02,60.21 arc(17.81,60.17) 17.64,60.05 17.07,59.49 arc(17.03,59.46) 16.98,59.45 15.03,59.45 ; 34.08,59.45 34.43,59.45 ; 34.08,59.45 arc(34.02,59.45) 33.96,59.45 ; 167.92,21.35 167.57,21.35 ; 167.92,21.35 167.45,21.35 ; 167.92,21.35 187.14,21.35 ; 167.57,21.35 166.14,21.35 arc(165.93,21.39) 165.76,21.51 D81.1 ; 167.57,21.35 arc(167.51,21.35) 167.45,21.35 ; 166.77,59.45 166.42,59.45 ; 166.77,59.45 166.3,59.45 ; 166.77,59.45 185.33,59.45 ; 166.42,59.45 arc(166.36,59.45) 166.3,59.45 ; 53.22,21.35 53.69,21.35 ; 53.22,21.35 34.24,21.35 ; 53.22,21.35 arc(53.28,21.35) 53.34,21.35 ; 53.69,21.35 71.09,21.35 ; 53.69,21.35 53.34,21.35 ; 147.4,59.45 129.03,59.45 ; 128.41,21.35 128.88,21.35 ; 128.41,21.35 arc(128.47,21.35) 128.53,21.35 ; 128.88,21.35 128.53,21.35 ; 128.88,21.35 148.59,21.35 ; 128.68,59.45 110.9,59.45 ; 128.68,59.45 129.03,59.45 ; 128.68,59.45 arc(128.62,59.45) 128.56,59.45 ; 110.9,59.45 110.43,59.45 ; 110.9,59.45 110.55,59.45 ; 128.53,21.35 128.04,21.35 arc(127.83,21.39) 127.66,21.51 D79.1 ; D68.1 139.04,44.53 arc(138.86,44.65) 138.66,44.69 135.9,44.69 ; 15.05,21.35 14.7,21.35 ; 15.05,21.35 16.81,21.35 arc(17.02,21.4) 17.2,21.51 17.63,21.95 arc(17.81,22.07) 18.02,22.11 20.09,22.11 arc(20.29,22.07) 20.47,21.95 20.91,21.51 arc(21.09,21.39) 21.29,21.35 33.89,21.35 ; 15.05,21.35 14.58,21.35 ; 14.7,21.35 6.81,21.35 arc(6.6,21.4) 6.43,21.51 2.73,25.21 arc(2.61,25.39) 2.57,25.6 2.57,38.96 arc(2.61,39.17) 2.73,39.34 6.68,43.29 ; 14.7,21.35 arc(14.64,21.35) 14.58,21.35 ; 185.45,59.45 185.19,59.45 arc(184.99,59.49) 184.81,59.61 D58.1 ; 185.45,59.45 185.8,59.45 ; 185.45,59.45 arc(185.39,59.45) 185.33,59.45 ; 175.37,44.69 175.73,44.69 ; 175.37,44.69 175.84,44.69 ; 90.21,59.45 89.95,59.45 arc(89.74,59.49) 89.56,59.61 D53.1 ; 90.21,59.45 90.56,59.45 ; 90.21,59.45 arc(90.15,59.45) 90.09,59.45 ; 101.72,6.43 D85.1 ; 101.72,6.43 arc(101.56,6.54) 101.36,6.58 ; 101.72,6.43 arc(101.66,6.58) 101.71,6.73 ; 118.2,6.88 109.65,6.88 ; 133.84,6.59 134.19,6.59 ; 133.84,6.59 134.31,6.59 ; 42.47,6.58 42,6.58 ; 42.47,6.58 arc(42.41,6.58) 42.35,6.58 ; 42,6.58 42.35,6.58 ; 42,6.58 21.76,6.58 ; 204.41,59.45 204.88,59.45 ; 204.41,59.45 185.8,59.45 ; 204.41,59.45 arc(204.47,59.45) 204.53,59.45 ; 204.88,59.45 204.53,59.45 ; D94.1 177.14,6.43 arc(176.96,6.55) 176.75,6.59 176.26,6.59 ; 167.45,21.35 148.94,21.35 ; 62.13,44.69 61.66,44.69 ; 62.13,44.69 80.54,44.69 ; 62.13,44.69 arc(62.07,44.69) 62.02,44.69 ; 61.66,44.69 62.02,44.69 ; 61.66,44.69 43.17,44.69 ; D55.1 127.66,59.61 arc(127.84,59.49) 128.04,59.45 128.56,59.45 ; D62.1 24.74,44.53 arc(24.56,44.65) 24.36,44.69 22.84,44.69 ; 134.19,6.59 156.27,6.59 ; 134.19,6.59 arc(134.25,6.59) 134.31,6.59 ; 71.48,59.45 71.83,59.45 ; 71.48,59.45 arc(71.42,59.45) 71.36,59.45 ; 156.74,6.59 156.27,6.59 ; 156.74,6.59 157.7,6.59 arc(157.91,6.55) 158.09,6.43 D93.1 ; 156.74,6.59 arc(156.68,6.59) 156.62,6.59 ; 156.27,6.59 156.62,6.59 ; 195.44,6.59 195.8,6.59 arc(196.01,6.55) 196.19,6.43 D95.1 ; 22.48,44.69 8.03,44.69 arc(7.82,44.65) 7.64,44.53 7.08,43.97 arc(6.97,43.79) 6.92,43.59 D61.1 ; 22.48,44.69 22.84,44.69 ; 22.48,44.69 22.95,44.69 ; 71.36,59.45 70.9,59.45 arc(70.69,59.49) 70.51,59.61 D52.1 ; 71.36,59.45 71.83,59.45 ; 134.31,6.59 138.65,6.59 arc(138.86,6.55) 139.04,6.43 D92.1 ; J2.2 206.67,95.92 arc(206.55,96.09) 206.51,96.3 206.51,97.96 arc(206.47,98.17) 206.35,98.34 198.26,106.43 arc(198.09,106.55) 197.88,106.59 185.47,106.59 arc(185.26,106.63) 185.09,106.75 182.1,109.73 arc(181.93,109.85) 181.72,109.89 10.48,109.89 arc(10.27,109.85) 10.09,109.73 J1.15 0.78,100.42 arc(0.66,100.25) 0.62,100.04 0.62,83.74 arc(0.66,83.53) 0.78,83.36 2.73,81.41 arc(2.91,81.29) 3.12,81.25 3.61,81.25 arc(3.82,81.2) 4,81.09 4.87,80.21 arc(4.99,80.04) 5.03,79.83 5.03,74.3 arc(4.99,74.09) 4.87,73.92 0.78,69.83 arc(0.66,69.65) 0.62,69.44 0.62,65.06 arc(0.66,64.85) 0.78,64.67 5.85,59.61 arc(6.02,59.49) 6.23,59.45 14.56,59.45 ; 90.56,59.45 90.09,59.45 ; 90.56,59.45 110.43,59.45 ; 175.73,44.69 arc(175.78,44.69) 175.84,44.69 ; 80.9,44.69 98.29,44.69 ; 80.9,44.69 80.54,44.69 ; 80.9,44.69 arc(80.95,44.69) 81.01,44.69 ; 98.29,44.69 98.76,44.69 ; 98.29,44.69 98.64,44.69 ; D64.1 62.84,44.53 arc(62.66,44.65) 62.46,44.69 62.02,44.69 ; 33.96,59.45 34.43,59.45 ; 33.96,59.45 32.8,59.45 arc(32.59,59.49) 32.41,59.61 D50.1 ; 118.22,44.69 118.58,44.69 ; 118.22,44.69 118.69,44.69 ; 118.22,44.69 98.76,44.69 ; 118.58,44.69 135.54,44.69 ; 118.58,44.69 arc(118.63,44.69) 118.69,44.69 ; 166.3,59.45 166.14,59.45 arc(165.94,59.49) 165.76,59.61 D57.1 ; 101.36,6.58 80.35,6.58 ; 101.36,6.58 arc(101.55,6.62) 101.71,6.73 ; 80.35,6.58 80,6.58 ; 80.35,6.58 arc(80.41,6.58) 80.47,6.58 ; 176.14,6.59 175.79,6.59 ; 176.14,6.59 arc(176.2,6.59) 176.26,6.59 ; 71.83,59.45 90.09,59.45 ; 185.33,59.45 185.8,59.45 ; D69.1 158.09,44.53 arc(157.91,44.65) 157.71,44.69 154.89,44.69 ; 53.34,21.35 51.84,21.35 arc(51.64,21.39) 51.46,21.51 D75.1 ; 135.54,44.69 135.9,44.69 ; 135.54,44.69 136.01,44.69 ; 81.01,44.69 81.51,44.69 arc(81.71,44.65) 81.89,44.53 D65.1 ; 81.01,44.69 80.54,44.69 ; 14.56,59.45 15.03,59.45 ; 33.89,21.35 34.24,21.35 ; 33.89,21.35 arc(33.83,21.35) 33.77,21.35 ; D96.1 215.24,6.43 arc(215.06,6.55) 214.85,6.59 214.63,6.59 ; D80.1 146.71,21.51 arc(146.88,21.39) 147.09,21.35 148.47,21.35 ; D90.1 81.89,6.42 arc(81.72,6.54) 81.51,6.58 80.47,6.58 ; 52.2,59.45 51.85,59.45 arc(51.64,59.49) 51.46,59.61 D51.1 ; 22.84,44.69 arc(22.89,44.69) 22.95,44.69 ; 98.64,44.69 100.56,44.69 arc(100.76,44.65) 100.94,44.53 D66.1 ; 98.64,44.69 arc(98.7,44.69) 98.76,44.69 ; 148.47,21.35 148.94,21.35 ; 148.47,21.35 arc(148.53,21.35) 148.59,21.35 ; 148.94,21.35 148.59,21.35 ; 71.44,21.35 71.09,21.35 ; 71.44,21.35 91.57,21.35 ; 71.44,21.35 70.97,21.35 ; 71.09,21.35 arc(71.03,21.35) 70.97,21.35 ; D91.1 110.17,6.72 arc(109.99,6.84) 109.79,6.88 109.77,6.88 ; D77.1 89.56,21.51 arc(89.73,21.39) 89.94,21.35 91.45,21.35 ; 110.29,21.35 108.99,21.35 arc(108.78,21.39) 108.61,21.51 D78.1 ; D59.1 203.86,59.61 arc(204.04,59.49) 204.24,59.45 204.53,59.45 ; 80,6.58 80.47,6.58 ; 80,6.58 61.43,6.58 ; D67.1 119.99,44.53 arc(119.81,44.65) 119.61,44.69 118.69,44.69 ; D76.1 70.51,21.51 arc(70.68,21.39) 70.89,21.35 70.97,21.35 ; 129.03,59.45 128.56,59.45 ; 156.62,6.59 175.79,6.59 ; 175.79,6.59 176.26,6.59 ; 205.96,21.35 206.43,21.35 ; 206.43,21.35 207.3,21.35 arc(207.51,21.39) 207.69,21.51 208.13,21.95 arc(208.31,22.07) 208.52,22.11 210.57,22.11 arc(210.77,22.07) 210.95,21.95 211.4,21.51 arc(211.57,21.39) 211.78,21.35 220.57,21.35 arc(220.78,21.39) 220.96,21.51 221.51,22.07 arc(221.63,22.25) 221.67,22.45 221.67,22.54 arc(221.73,22.69) 221.87,22.74 222.33,22.74 arc(222.54,22.7) 222.71,22.59 225.27,20.03 arc(225.39,19.85) 225.43,19.64 225.43,9.22 arc(225.39,9.01) 225.27,8.84 223.18,6.75 arc(223,6.63) 222.79,6.59 214.75,6.59 ; D70.1 177.14,44.53 arc(176.96,44.65) 176.75,44.69 175.84,44.69 ; D74.1 32.41,21.51 arc(32.59,21.39) 32.79,21.35 33.77,21.35 ; 91.57,21.35 91.92,21.35 ; 91.57,21.35 arc(91.51,21.35) 91.45,21.35 ; 214.28,6.59 214.75,6.59 ; 214.28,6.59 214.63,6.59 ; 109.3,6.88 102.08,6.88 arc(101.89,6.84) 101.72,6.73 101.71,6.73 ; 109.3,6.88 109.65,6.88 ; 109.3,6.88 109.77,6.88 ; 109.65,6.88 arc(109.71,6.88) 109.77,6.88 ; 91.92,21.35 91.45,21.35 ; 214.75,6.59 arc(214.69,6.59) 214.63,6.59 ; 33.77,21.35 34.24,21.35 ; 110.43,59.45 arc(110.49,59.45) 110.55,59.45 ; 135.9,44.69 arc(135.95,44.69) 136.01,44.69 ; 110.55,59.45 108.99,59.45 arc(108.79,59.49) 108.61,59.61 D54.1